# Altium PCB OBC-FPGA.PcbDoc (part 2 of 3)
Units mil, origin at the board's own origin, x right, y up, seen from the top; angles counter-clockwise.
Board outline 3775 x 3550 mil, 4 copper layers (Top Layer, Mid-Layer 2, Mid-Layer 3, Bottom Layer), stack 33.2 mil thick; 217 components, 167 nets, 957 pads, 748 vias.
Unrouted connection lines stored in the file: 2.
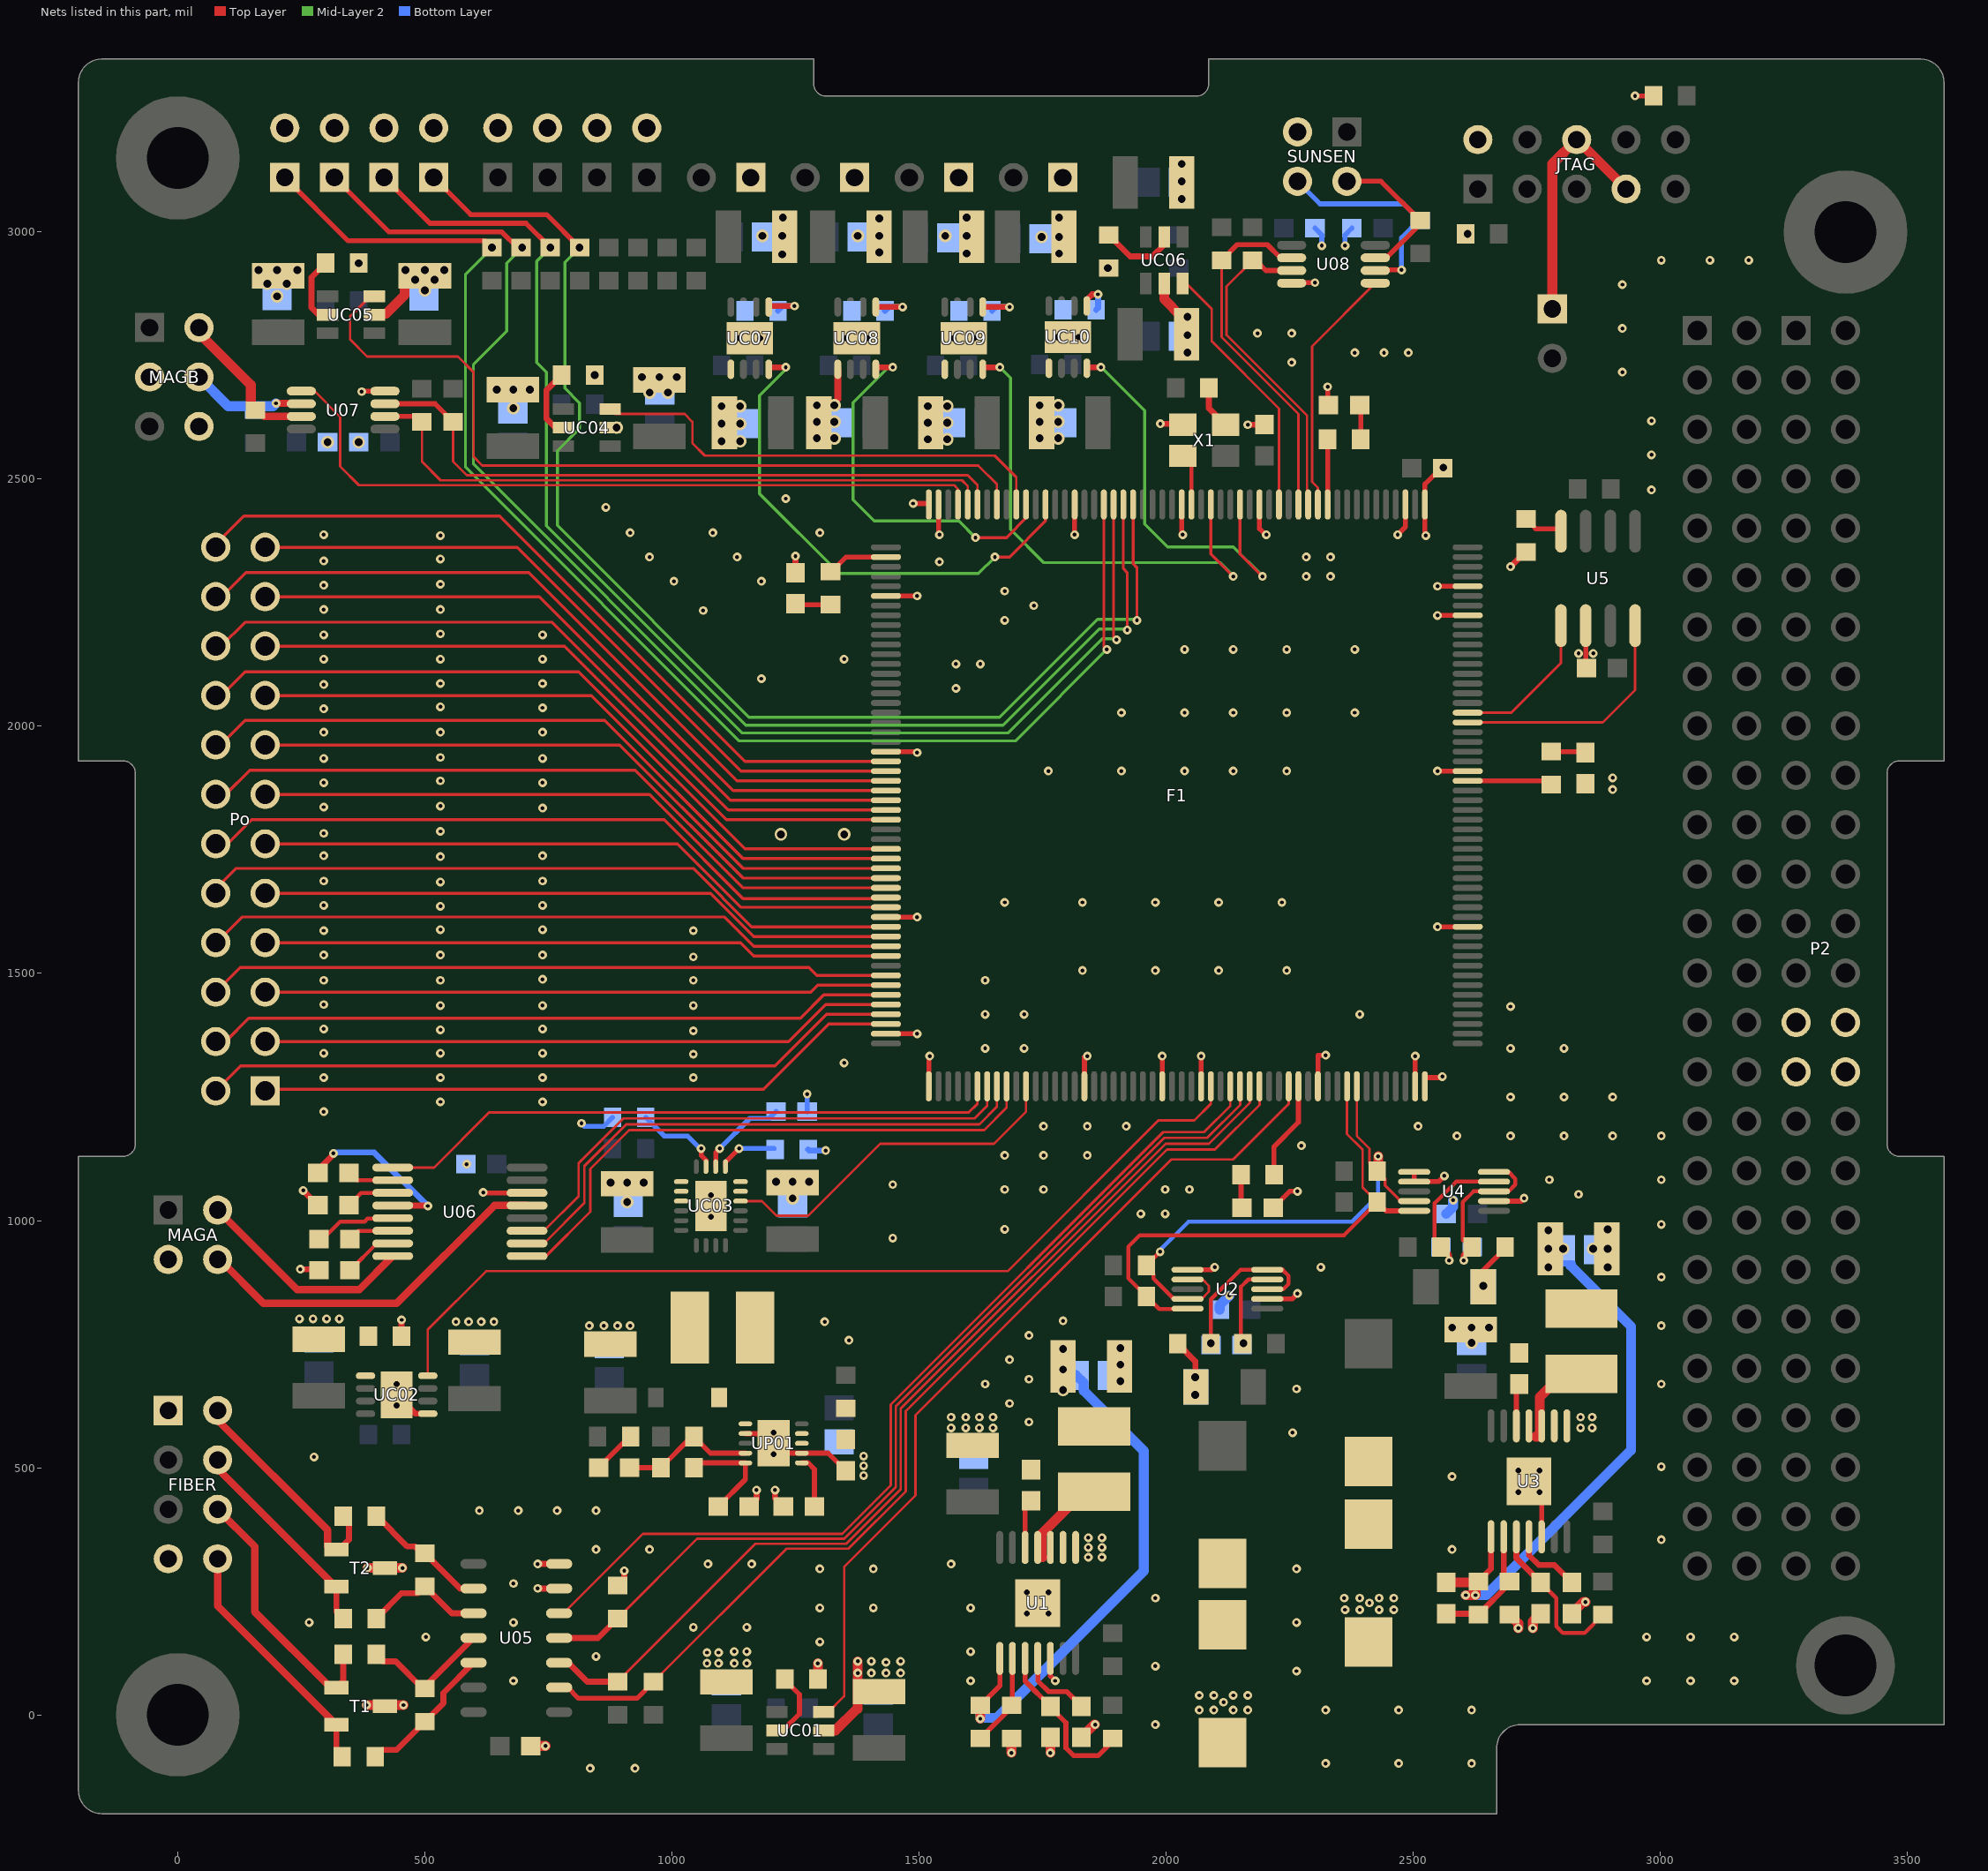
[diagram p4: the nets of this part, all layers, seen from the top]

## Via types
v1: diameter 17.72, hole 7.87, Top Layer to Bottom Layer, 514 vias
v2: diameter 25.59, hole 15.75, Top Layer to Bottom Layer, 212 vias
v3: diameter 23.62, hole 11.81, Top Layer to Bottom Layer, 22 vias

## Nets (pads, with @x,y where several pads share a name; then routed paths per layer and width w, separated by ;. In a path a pad name is that pad's centre, name@x,y a point inside that pad or via, vN(x,y) a via of type N, cw(c..) or ccw(c..) an arc to the next point about the centre after c; other vN are vias at no path point) (continued)
BUS_CANR: F1.86 U5.4 | length 496.5
  Top Layer w5: F1.86@2610.24,2007.87 2883.86,2007.87 2949.02,2073.03 U5.4@2949.02,2203.74
BUS_CANT: F1.87 U5.1 | length 306
  Top Layer w5: F1.87@2610.24,2027.56 2698.43,2027.56 2799.02,2128.15 U5.1@2799.02,2203.74
CLK: F1.129 X1.3 | length 105.8
  Top Layer w5: X1.3@2033.46,2547.24 X1.3@2051.18,2529.53
  Top Layer w8: F1.129@2051.18,2448.82 X1.3@2051.18,2529.53
EN_Ant1_5V: F1.127 UC09.4 | length 1028.4
  Top Layer w6: F1.127@2090.55,2448.82 2090.55,2348.43 v1(2135.83,2303.15)
  Top Layer w12: UC09.4@1628.94,2722.44 1632.87,2726.38 v1(1663.39,2726.38)
  Mid-Layer 2 w6: v1(1663.39,2726.38) 1685.04,2704.72 1685.04,2398.61 1752.49,2331.17 2109.2,2331.17 2135.83,2304.53 v1(2135.83,2303.15)
EN_Ant2_5V: F1.124 UC10.4 | length 831
  Top Layer w6: F1.124@2149.61,2448.82 2149.61,2348.43 v1(2194.88,2303.15)
  Top Layer w12: UC10.4@1839.57,2724.41 UC10.4@1841.54,2726.38 ; UC10.4@1841.54,2726.37 v1(1868.11,2726.37)
  Mid-Layer 2 w6: v1(1868.11,2726.37) 1869.1,2726.37 1956.69,2638.78 1956.69,2409.45 2002.98,2363.17 2136.25,2363.17 2194.88,2304.53 v1(2194.88,2303.15)
EN_FIBGY+3.3: F1.30 UC02.4 | length 1902.8
  Top Layer w5: UC02.4@505.91,686.02 505.91,779.53 624.02,897.64 1679.13,897.64 1984.25,1202.76 2057.09,1202.76 2090.55,1236.22 F1.30@2090.55,1271.65
EN_FIBGY-3.3: F1.38 UC01.3 | length 1734.6
  Top Layer w5: UC01.3@1307.09,5.91 1316.93,5.91 1348.43,37.4 1348.43,299.37 1492.91,443.86 1492.91,606.36 2010.25,1123.7 2135.51,1123.7 2248.03,1236.22 F1.38@2248.03,1271.65
EN_MAGA: F1.11 UC03.14 | length 728.4
  Top Layer w5: UC03.14@1138.78,1039.37 1182.09,1039.37 1211.61,1009.84 1275.59,1009.84 1421.26,1155.51 1651.57,1155.51 1716.54,1220.47 F1.11@1716.54,1271.65
EN_MAGB_3.3: F1.149 UC05.3 | length 1683.8
  Top Layer w5: UC05.3@397.64,2870.08 389.76,2870.08 348.58,2828.9 348.58,2782.69 383.24,2748.03 566.93,2748.03 598.58,2716.38 598.58,2545.48 616.29,2527.78 1619.86,2527.78 1657.48,2490.16 F1.149@1657.48,2448.82
EN_MAGB_5: F1.147 UC04.3 | length 966.3
  Top Layer w5: UC04.3@868.11,2641.73 UC04.3@875,2641.73 884.84,2631.89 1025.59,2631.89 1041.34,2616.14 1041.34,2572.83 1066.4,2547.78 1653.01,2547.78 1696.85,2503.94 F1.147@1696.85,2448.82
EN_Sb1_5V: F1.144 UC07.4 | length 1037.1
  Top Layer w6: v1(1653.54,2342.52) 1683.07,2342.52 1755.91,2415.35 F1.144@1755.91,2448.82
  Top Layer w10: UC07.4@1195.87,2722.44 UC07.4@1199.8,2726.38
  Top Layer w12: UC07.4@1199.8,2726.38 v1(1230.32,2726.38)
  Mid-Layer 2 w6: v1(1230.32,2726.38) 1230.32,2722.44 1177.17,2669.29 1177.17,2470.47 1338.58,2309.06 1620.08,2309.06 v1(1653.54,2342.52)
EN_Sb2_5V: F1.146 UC08.4 | length 770.3
  Top Layer w6: v1(1614.17,2381.89) 1677.17,2381.89 1718.5,2423.23 1718.5,2446.85 F1.146@1716.54,2448.82
  Top Layer w12: UC08.4@1412.4,2722.44 1416.34,2726.38 v1(1446.85,2726.38)
  Mid-Layer 2 w6: v1(1446.85,2726.38) 1437.59,2726.38 1366.14,2654.93 1366.14,2458.66 1409.45,2415.35 1580.71,2415.35 v1(1614.17,2381.89)
EN_SUNSEN_3.3: F1.120 UC06.3 | length 532.2
  Top Layer w5: UC06.3@2033.46,2895.67 2041.34,2895.67 2092.2,2844.8 2092.2,2779.12 2228.35,2642.98 F1.120@2228.35,2448.82
FIBERGYRO_RX: F1.35 R60.2 U05.2 | length 2057.7
  Top Layer w5: R60.2@962.6,66.93 1231.81,336.14 1356.91,336.14 1472.91,452.14 1472.91,614.65 2001.97,1143.7 2098.43,1143.7 2188.98,1234.25 F1.35@2188.98,1271.65
  Top Layer w10: U05.2@771.65,55.51 773.23,57.09 787.4,57.09 811.02,33.46 929.13,33.46 R60.2@962.6,66.93
FIBERGYRO_RX+: FIBER.8 R63.2 T1.2 | length 504.8
  Top Layer w5: R63.2@321.85,-73.82 R63.2@332.68,-84.65
  Top Layer w12: T1.2@320.87,-19.69 320.87,-72.83 R63.2@321.85,-73.82
  Top Layer w15: FIBER.8@80.71,315.75 80.71,220.47 T1.2@320.87,-19.69
FIBERGYRO_RX-: FIBER.6 R65.2 T1.1 | length 540
  Top Layer w12: T1.1@320.87,55.12 334.65,68.9 R65.2@334.65,122.05
  Top Layer w15: FIBER.6@80.71,415.75 155.91,340.55 155.91,209.06 155.51,208.66 309.06,55.12 T1.1@320.87,55.12
FIBERGYRO_RX_/RE: F1.34 R58.2 U05.3 | length 2027.9
  Top Layer w5: U05.3@771.65,105.51 U05.3@790.16,105.51 ; R58.2@889.76,66.93 1168.98,346.14 1352.77,346.14 1462.91,456.28 1462.91,619.67 1998.76,1155.51 2086.61,1155.51 2169.29,1238.19 F1.34@2169.29,1271.65
  Top Layer w12: U05.3@790.16,105.51 828.74,66.93 R58.2@889.76,66.93
FIBERGYRO_TX: F1.32 U05.5 | length 1918.6
  Top Layer w5: U05.5@771.65,205.51 780.32,205.51 940.94,366.14 1344.49,366.14 1442.91,464.57 1442.91,627.95 1994.09,1179.13 2076.77,1179.13 2129.92,1232.28 F1.32@2129.92,1271.65
FIBERGYRO_TX+: FIBER.2 R66.2 T2.1 | length 473.4
  Top Layer w5: T2.1@303.15,340.55 309.06,334.65 T2.1@320.87,334.65
  Top Layer w12: T2.1@320.87,334.65 326.77,334.65 346.46,354.33 346.46,389.76 R66.2@334.65,401.57
  Top Layer w15: FIBER.2@80.71,615.75 80.71,596.46 303.15,374.02 T2.1@303.15,340.55
FIBERGYRO_TX-: FIBER.4 R64.2 T2.2 | length 427.2
  Top Layer w12: T2.2@320.87,259.84 320.87,208.66 R64.2@334.65,194.88
  Top Layer w15: FIBER.4@80.71,515.75 80.71,498.03 318.9,259.84 T2.2@320.87,259.84
FIBERGYRO_TX_DE: F1.33 R59.1 U05.4 | length 1957.9
  Top Layer w5: R59.1@889.76,194.88 1051.02,356.14 1348.63,356.14 1452.91,460.42 1452.91,623.81 1996.43,1167.32 2082.68,1167.32 2149.61,1234.25 F1.33@2149.61,1271.65
  Top Layer w12: U05.4@771.65,155.51 850.39,155.51 R59.1@889.76,194.88
GND: A2.2 A3.2 A4.2 ANT1.2 C1.2 C2.2 C3.1 C4.1 C6.2 C7.2 C9.2 C11.2 C12.2 C13.2 C14.1 C15.1 C18.2 C19.2 C20.2 C23.2 C24.2 C25.2 C26.2 C27.2 C50.2 C51.2 C52.2 C53.2 C54.1 C55.2 C56.2 C57.2 C59.1 C60.1 C61.2 C62.2 C63.2 C64.2 C65.2 C66.2 C67.2 C68.2 C69.2 C70.2 C72.1 C74.2 C75.1 C76.2 C77.2 C78.2 C79.2 C80.2 C81.2 C82.2 C83.2 C84.2 C85.2 C87.2 C88.2 C89.2 C90.2 C91.2 C92.2 C93.2 C94.2 C95.2 C96.2 C97.2 C98.2 C99.2 C100.2 C101.2 C102.2 C103.2 C104.2 C105.2 C106.2 C107.2 C108.2 F1.1 F1.17 F1.25 F1.29 F1.41 F1.51 F1.52 F1.65 F1.81 F1.97 F1.100 F1.105 F1.107 F1.122 F1.130 F1.141 F1.155 F1.156 F1.162 F1.178 F1.195 F1.207 FIBER.1 FIBER.7 JTAG.2 L51.1 LD1.2 LD2.2 LD3.2 LD4.2 MAGA.3 MAGB.3 MAGB.6 P2.29 P2.30 P2.31 P2.32 PAV1.1 PAV2.1 R3.1 R12.1 R20.1 R21.2 R22.1 R51.2 R57.1 R59.2 R67.1 R69.1 R75.2 R77.2 R93.2 R95.1 R97.1 R99.1 R101.1 S2.2 S3.2 S4.2 SAB1.2 SBV1.1 SBV2.1 SUNSEN.3 T1.3 T2.3 U1.5 U1.8 U1.9 U1.15 U2.1 U2.7 U3.5 U3.8 U3.9 U3.15 U4.1 U4.2 U4.7 U5.2 U05.6 U05.7 U06.14 U07.4 U08.4 UC01.2 UC02.1 UC02.9 UC03.1 UC03.2 UC03.3 UC03.15 UC03.16 UC03.21 UC04.2 UC05.2 UC06.2 UC07.1 UC07.9 UC08.1 UC08.9 UC09.1 UC09.9 UC10.1 UC10.9 UP01.2 UP01.7 UP01.11 X1.2 | length 4245.2
  Top Layer w10: v1(372.05,2677.17) 373.03,2678.15 U07.4@419.29,2678.15 ; v1(618.11,1057.09) 619.09,1056.1 U06.14@706.69,1056.1 ; UP01.7@1148.62,568.9 1186.02,568.9 UP01.11@1205.71,549.21 1225.39,529.53 UP01.2@1262.8,529.53 1315.94,529.53 C55.2@1351.38,494.09 ; F1.207@1433.07,1377.95 v1(1496.06,1377.95) ; F1.195@1433.07,1614.17 v1(1496.06,1614.17) ; F1.178@1433.07,1948.82 1494.09,1948.82 v1(1496.06,1946.85) ; F1.162@1433.07,2263.78 v1(1496.06,2263.78) ; v1(1488.19,2450.79) 1517.72,2450.79 F1.156@1519.68,2448.82 ; F1.1@1519.68,1271.65 1519.68,1330.71 v1(1521.65,1332.68) ; F1.155@1539.37,2448.82 1539.37,2389.76 v1(1541.34,2387.8) ; U1.5@1765.75,114.17 1765.75,78.74 v1(1775.59,68.9) ; v1(1814.96,2387.8) F1.141@1814.96,2448.82 ; F1.17@1834.65,1271.65 1834.65,1330.71 1836.61,1332.67 v1(1840.55,1332.67) ; F1.25@1992.13,1271.65 v1(1992.13,1332.68) ; F1.130@2031.5,2448.82 2031.5,2389.76 v1(2033.46,2387.8) ; U2.1@2043.31,900.59 2093.5,900.59 v1(2098.43,905.51) ; F1.29@2070.87,1271.65 v1(2070.87,1332.68) ; F1.122@2188.98,2448.82 2188.98,2399.61 2202.76,2385.83 v1(2202.76,2387.8) ; U2.7@2204.72,841.54 2254.92,841.54 v1(2265.75,852.36) ; LD1.2@2216.54,1025.59 2250,1059.06 v1(2265.75,1059.06) ; U08.4@2253.94,2896.65 2254.92,2897.64 v1(2301.18,2897.64) ; F1.41@2307.09,1271.65 2307.09,1334.65 v1(2322.83,1334.64) ; v1(2326.77,2687.01) 2326.77,2651.57 LD3.2@2328.74,2649.61 ; v1(2468.5,2387.79) 2484.25,2403.54 F1.107@2484.25,2448.82 ; U4.1@2501.97,1098.43 U4.2@2501.97,1078.74 2551.18,1078.74 v1(2562.99,1090.55) ; F1.51@2503.94,1271.65 v1(2503.94,1332.68) ; F1.52@2523.62,1271.65 2523.62,1287.4 2525.59,1289.37 2557.09,1289.37 v1(2559.06,1291.34) ; v1(2525.59,2385.83) 2523.62,2387.8 F1.105@2523.62,2448.82 2523.62,2490.16 2555.92,2522.46 C24.2@2559.91,2522.46 ; v1(2549.21,1594.49) F1.65@2610.24,1594.49 ; v1(2549.21,1909.45) F1.81@2610.24,1909.45 ; v1(2549.21,2224.41) F1.97@2610.24,2224.41 ; v1(2549.21,2283.46) F1.100@2610.24,2283.46 ; U4.7@2663.39,1039.37 2718.5,1039.37 v1(2724.41,1045.28) ; U3.15@2734.25,472.44 v3(2755.91,450.79) 2759.84,446.85 U3.5@2759.84,360.24 ; LD2.2@2848.43,1883.86 LD2.2@2854.33,1889.76 ; C27.2@2849.02,2121.46 U5.2@2849.02,2203.74 ; v1(2948.82,3275.59) R21.2@2986.22,3275.59
  Top Layer w12: v1(248.03,901.57) 283.46,901.57 C74.2@285.43,899.61 ; v1(253.94,1061.02) C72.1@283.46,1031.5 ; UC02.9@442.91,647.64 481.3,609.25 UC02.1@505.91,609.25 ; R57.1@452.76,765.75 v1(452.76,799.21) ; v1(728.35,255.91) 728.74,255.51 U05.6@771.65,255.51 ; v1(728.35,305.12) 728.74,305.51 U05.7@771.65,305.51 ; R59.2@889.76,261.81 903.54,275.59 v1(903.54,291.34) ; C57.2@1156.5,421.26 1171.26,436.02 v1(1171.26,454.72) ; v1(1208.66,454.72) 1208.66,437.99 C56.2@1225.39,421.26 ; LD4.2@1250,2311.02 v1(1250,2344.49) ; v1(1988.19,2612.2) 2031.5,2612.2 X1.2@2033.46,2610.24 ; v1(2165.35,2610.24) C26.2@2198.82,2610.24 ; v1(2696.85,2322.83) 2726.38,2352.36 R22.1@2728.35,2352.36
  Top Layer w15: 1335.63,2662.4 UC08.1@1335.63,2722.44
  Top Layer w20: v1(381.89,19.68) 417.32,19.68 T1.3@419.29,17.72 ; v1(383.86,297.24) T2.3@419.29,297.24 v1(454.72,297.24) ; UC05.2@397.64,2832.68 399.61,2834.65 421.26,2834.65 458.66,2872.05 C82.2@458.66,2897.64 ; 444.88,19.68 v1(456.69,19.68) ; C65.2@714.57,-62.99 v1(744.09,-62.99) ; R51.2@1295.28,72.83 v1(1295.28,104.33) ; UC01.2@1307.09,-31.5 1330.71,-31.5 1375,12.8 1375.98,11.81 v1(1375.98,84.65) v1(1375.98,108.27) ; v1(1687.01,-76.77) R3.1@1687.01,-47.64 ; v1(1765.75,-76.77) C3.1@1765.75,-45.67 ; C4.1@1828.74,-45.67 1854.72,-19.68 v1(1856.3,-19.68) ; UC06.2@1996.06,2895.67 1996.06,2864.17 2031.5,2828.74 C89.2@2031.5,2789.37 ; R12.1@2694.88,202.76 2712.6,185.04 v1(2712.6,175.2) ; v1(2742.13,175.2) 2742.13,188.98 C14.1@2757.87,204.72 ; C15.1@2820.87,204.72 2844.49,228.35 v1(2848.43,228.35)
  Bottom Layer w10: v1(816.93,1196.85) 822.83,1190.94 862.2,1190.94 R69.1@879.92,1208.66 ; C68.2@1273.62,1220.47 v1(1273.62,1255.91) ; C87.2@2301.18,3007.87 2314.96,2994.09 v1(2314.96,2972.44) ; v1(2362.2,2972.44) 2362.2,2994.09 C88.2@2375.98,3007.87
  Bottom Layer w12: R67.1@1275.59,1143.7 1277.56,1141.73 v1(1311.02,1141.73)
  Bottom Layer w20: C11.2@2108.27,819.88 2108.27,828.74 v1(2127.95,848.43) ; C23.2@2566.93,1013.78 2580.71,1027.56 v1(2580.71,1041.34)
  other v1: 834.65,-108.27 925.2,-108.27 2322.83,-98.43 2470.47,-98.43 2618.11,-98.43 1978.35,-19.68 2066.93,9.84 2096.46,9.84 2135.83,9.84 2165.35,9.84 2322.83,9.84 2470.47,9.84 2618.11,9.84 2116.14,25.59 2066.93,39.37 2096.46,39.37 2135.83,39.37 2165.35,39.37 679.13,68.9 1604.33,68.9 2972.44,68.9 3061.02,68.9 3149.61,68.9 1403.54,84.65 1433.07,84.65 1462.6,84.65 2263.78,88.58 1978.35,98.43 1070.87,104.33 1094.49,104.33 1125.98,104.33 1151.57,104.33 1433.07,106.3 1403.54,108.27 1462.6,108.27 846.46,118.11 1070.87,125.98 1094.49,125.98 1125.98,127.95 1151.57,127.95 1604.33,127.95 1299.21,147.64 501.97,157.48 2972.44,157.48 3061.02,157.48 3149.61,157.48 1043.31,177.17 1151.57,177.17 265.75,187.01 679.13,187.01 2263.78,187.01 2362.2,212.6 2391.73,212.6 2431.1,212.6 2460.63,212.6 1299.21,216.54 1407.48,216.54 1604.33,216.54 2411.42,226.38 1978.35,236.22 2360.24,236.22 2391.73,236.22 2431.1,236.22 2460.63,236.22 679.13,265.75 1299.21,295.28 1407.48,295.28 2263.78,295.28 1072.83,305.12 1161.42,305.12 1564.96,305.12 1842.52,318.9 1870.08,318.9 846.46,334.65 954.72,334.65 2578.74,334.65 1842.52,338.58 1870.08,338.58 3001.97,354.33 1842.52,358.27 1870.08,358.27 610.24,413.39 688.98,413.39 767.72,413.39 846.46,413.39 2578.74,482.28 1387.8,484.25 3001.97,501.97 1387.8,503.94 275.59,521.65 1387.8,523.62 2255.91,570.87 1564.96,580.71 1594.49,580.71 1622.05,580.71 1649.61,580.71 2838.58,580.71 2862.2,580.71 1722.44,592.52 1564.96,602.36 1594.49,602.36 1622.05,602.36 1649.61,602.36 2838.58,602.36 2862.2,602.36 1683.07,629.92 2263.78,659.45 1633.86,669.29 3001.97,669.29 1722.44,679.13 1683.07,718.5 1358.27,757.87 1722.44,767.72 832.68,787.4 862.2,787.4 889.76,787.4 915.35,787.4 3001.97,787.4 562.99,795.28 588.58,795.28 614.17,795.28 639.76,795.28 1309.06,795.28 1791.34,797.24 246.06,801.18 273.62,801.18 301.18,801.18 326.77,801.18 3001.97,885.83 2312.99,905.51 1446.85,964.57 1673.23,982.28 3001.97,992.13 1948.82,1013.78 1998.03,1013.78 2834.65,1053.15 1673.23,1062.99 1751.97,1062.99 1998.03,1062.99 2047.24,1062.99 1446.85,1072.83 2775.59,1082.68 3001.97,1082.68 584.65,1114.17 1673.23,1131.89 1751.97,1131.89 1840.55,1131.89 2273.62,1151.57 2588.58,1171.26 2696.85,1171.26 2805.12,1171.26 2903.54,1171.26 3001.97,1171.26 1751.97,1190.94 1840.55,1190.94 1919.29,1190.94 2509.84,1190.94 295.28,1220.47 531.5,1240.16 738.19,1240.16 2696.85,1250 2805.12,1250 2903.54,1250 295.28,1289.37 531.5,1289.37 738.19,1289.37 1043.31,1289.37 1348.43,1318.9 1043.31,1336.61 295.28,1338.58 531.5,1338.58 738.19,1338.58 1633.86,1348.43 1712.6,1348.43 2696.85,1348.43 2805.12,1348.43 1043.31,1383.86 531.5,1385.83 295.28,1387.8 738.19,1387.8 1633.86,1417.32 1712.6,1417.32 2391.73,1417.32 2696.85,1433.07 531.5,1435.04 738.19,1435.04 1043.31,1435.04 295.28,1437.01 295.28,1486.22 531.5,1486.22 1043.31,1486.22 1633.86,1486.22 738.19,1488.19 1830.71,1505.91 1978.35,1505.91 2106.3,1505.91 2244.09,1505.91 1043.31,1533.46 295.28,1537.4 531.5,1537.4 738.19,1537.4 295.28,1586.61 1043.31,1586.61 531.5,1588.58 738.19,1588.58 531.5,1635.83 295.28,1637.8 738.19,1637.8 1673.23,1643.7 1830.71,1643.7 1978.35,1643.7 2106.3,1643.7 2234.25,1643.7 531.5,1685.04 295.28,1687.01 738.19,1687.01 531.5,1736.22 295.28,1738.19 738.19,1738.19 295.28,1783.46 531.5,1787.4 738.19,1834.65 295.28,1836.61 531.5,1838.58 2903.54,1872.05 295.28,1885.83 738.19,1885.83 531.5,1889.76 2903.54,1895.67 1761.81,1909.45 1909.45,1909.45 2037.4,1909.45 2135.83,1909.45 2244.09,1909.45 295.28,1935.04 738.19,1935.04 531.5,1937.01 295.28,1988.19 531.5,1988.19 738.19,1988.19 1909.45,2027.56 2037.4,2027.56 2135.83,2027.56 2244.09,2027.56 2381.89,2027.56 295.28,2035.43 738.19,2037.4 531.5,2039.37 1574.8,2076.77 295.28,2084.65 531.5,2086.61 738.19,2086.61 1181.1,2096.46 1574.8,2125.98 1624.02,2125.98 295.28,2135.83 531.5,2135.83 738.19,2135.83 1348.43,2135.83 2834.65,2147.64 2864.17,2147.64 2037.4,2155.51 2135.83,2155.51 2244.09,2155.51 2381.89,2155.51 295.28,2185.04 738.19,2185.04 531.5,2187.01 1673.23,2214.57 1062.99,2234.25 295.28,2236.22 531.5,2236.22 1732.28,2244.09 1673.23,2273.62 295.28,2285.43 531.5,2287.4 1003.94,2293.31 1181.1,2293.31 2283.46,2303.15 2332.68,2303.15 1541.34,2332.68 295.28,2334.65 531.5,2338.58 954.72,2342.52 1131.89,2342.52 2283.46,2342.52 2332.68,2342.52 531.5,2385.83 295.28,2387.8 915.35,2391.73 1082.68,2391.73 1299.21,2391.73 866.14,2442.91 1230.32,2460.63 2982.28,2478.35 2982.28,2549.21 2982.28,2618.11 2923.23,2716.54 2253.94,2736.22 2381.89,2755.91 2440.94,2755.91 2490.16,2755.91 2185.04,2795.28 2253.94,2795.28 2923.23,2805.12 2923.23,2893.7 3001.97,2942.91 3100.39,2942.91 3179.13,2942.91
  other v2: 1907.48,675.2 1907.48,708.66 1907.48,742.13 2618.11,752.95 2578.74,783.46 2618.11,783.46 2653.54,783.46 2893.7,905.51 2864.17,942.91 2893.7,942.91 2893.7,982.28 909.45,1037.4 1244.09,1045.28 875.98,1076.77 909.45,1076.77 942.91,1076.77 1210.63,1078.74 1244.09,1078.74 1277.56,1078.74 1220.47,1781.5 1348.43,1781.5 2561.02,2523.62 303.15,2574.8 366.14,2574.8 1100.39,2576.77 1137.8,2576.77 1517.72,2580.71 1557.09,2580.71 1293.31,2582.68 1328.74,2582.68 1744.09,2582.68 1781.5,2582.68 887.79,2604.33 1100.39,2612.2 1137.8,2612.2 1517.72,2614.17 1557.09,2614.17 1293.31,2616.14 1328.74,2616.14 1744.09,2616.14 1781.5,2616.14 679.13,2643.7 1100.39,2647.64 1137.8,2647.64 1517.72,2647.64 1557.09,2647.64 1293.31,2649.61 1328.74,2649.61 1744.09,2649.61 1781.5,2649.61 954.72,2675.2 992.13,2675.2 645.67,2681.1 679.13,2681.1 712.6,2681.1 938.98,2706.69 974.41,2706.69 1009.84,2706.69 843.5,2710.63 2043.31,2755.91 2043.31,2791.34 2043.31,2828.74 200.79,2870.08 500,2881.89 181.1,2895.67 220.47,2895.67 480.32,2903.54 519.68,2903.54 163.39,2923.23 200.79,2923.23 242.13,2923.23 460.63,2923.23 500,2923.23 539.37,2923.23 1881.89,2927.17 366.14,2937.01 1223.43,2954.72 1596.46,2956.69 1783.46,2956.69 1419.29,2958.66 1748.03,2990.16 1783.46,2990.16 1183.07,2992.13 1223.43,2992.13 1375.98,2992.13 1419.29,2992.13 1553.15,2992.13 1596.46,2992.13 2610.24,2996.06 1419.29,3027.56 1224.41,3029.53 1596.46,3029.53 1783.46,3029.53 2031.5,3066.93 2031.5,3102.36 2031.5,3137.8
  other v3: 1718.5,204.72 1761.81,204.72 1718.5,248.03 1761.81,248.03 2712.6,450.79 2712.6,494.09 2755.91,494.09 1205.71,527.56 1205.71,570.87 442.91,625.98 442.91,669.29 1078.74,1007.87 1078.74,1051.18 1135.83,2785.43 1179.13,2785.43 1352.36,2785.43 1395.67,2785.43 1568.9,2785.43 1612.2,2785.43 1779.53,2787.4 1822.83,2787.4
LED1: F1.39 R25.1 | length 199.5
  Top Layer w10: R25.1@2218.5,1092.52 2218.5,1149.61 2267.72,1198.82 F1.39@2267.72,1271.65
LED2: F1.80 R26.1 | length 172.6
  Top Layer w10: F1.80@2610.24,1889.76 2771.65,1889.76 R26.1@2779.53,1881.89
LED3: F1.115 R27.1 | length 131.9
  Top Layer w10: F1.115@2326.77,2448.82 R27.1@2326.77,2580.71
LED4: F1.158 R28.1 | length 124.4
  Top Layer w10: R28.1@1320.87,2312.99 1322.83,2312.99 1352.36,2342.52 F1.158@1433.07,2342.52
MAGA_PC_/INVALID: F1.8 U06.10 | length 1150.5
  Top Layer w5: U06.10@706.69,953.74 741.14,953.74 822.83,1035.43 822.83,1110.24 907.48,1194.88 1622.05,1194.88 1657.48,1230.31 F1.8@1657.48,1271.65
MAGA_PC_RD: F1.9 U06.9 | length 1188.9
  Top Layer w5: U06.9@706.69,928.15 745.08,928.15 834.65,1017.72 834.65,1104.33 913.23,1182.91 1631.73,1182.91 1677.17,1228.35 F1.9@1677.17,1271.65
MAGA_PC_READY: F1.6 U06.1 | length 1271.9
  Top Layer w5: U06.1@435.04,1107.28 518.7,1107.28 629.92,1218.5 1600.39,1218.5 1618.11,1236.22 F1.6@1618.11,1271.65
MAGA_PC_TD: F1.7 U06.11 | length 1114.5
  Top Layer w5: U06.11@706.69,979.33 741.14,979.33 811.02,1049.21 811.02,1116.14 901.57,1206.69 1612.2,1206.69 1637.8,1232.28 F1.7@1637.8,1271.65
MAGA_RD: MAGA.2 U06.8 | length 449.2
  Top Layer w15: MAGA.2@80.71,1021.26 241.73,860.24 367.13,860.24 U06.8@435.04,928.15
MAGA_TD: MAGA.4 U06.13 | length 744.6
  Top Layer w15: MAGA.4@80.71,921.26 84.65,921.26 173.23,832.68 442.91,832.68 640.75,1030.51 U06.13@706.69,1030.51
MAGB_PC_EN: F1.153 U07.5 | length 1505.2
  Top Layer w5: U07.5@252.95,2675.2 U07.5@250,2678.15 276.57,2678.15 328.74,2625.98 328.74,2525.59 366.56,2487.78 1571.28,2487.78 1578.74,2480.32 F1.153@1578.74,2448.82
MAGB_PC_SCL: F1.152 R71.2 U07.2 | length 1322.1
  Top Layer w5: R71.2@483.27,2626.97 R71.2@494.09,2616.14 494.09,2535.43 531.75,2497.78 1586.87,2497.78 1598.43,2486.22 F1.152@1598.43,2448.82
  Top Layer w10: U07.2@419.29,2626.97 R71.2@483.27,2626.97
MAGB_PC_SDA: F1.151 R70.2 U07.3 | length 1353.6
  Top Layer w5: R70.2@557.09,2616.14 557.09,2535.43 584.74,2507.78 1598.52,2507.78 1618.11,2488.19 F1.151@1618.11,2448.82
  Top Layer w10: U07.3@419.29,2652.56 520.67,2652.56 R70.2@557.09,2616.14
MAGB_SCL: MAGB.2 R72.2 U07.7 | length 312.2
  Top Layer w5: MAGB.2@42.91,2795.67 MAGB.2@42.91,2806.69 ; R72.2@157.48,2639.76 161.42,2639.76 R72.2@174.21,2626.97
  Top Layer w10: R72.2@147.64,2649.61 R72.2@157.48,2639.76
  Top Layer w15: R72.2@174.21,2626.97 U07.7@250,2626.97
  Top Layer w20: MAGB.2@42.91,2795.67 147.64,2690.94 R72.2@147.64,2649.61
MAGB_SDA: MAGB.4 R73.2 U07.6 | length 234.4
  Top Layer w5: U07.6@249.02,2653.54 U07.6@250,2652.56
  Top Layer w15: v1(198.82,2653.54) U07.6@249.02,2653.54
  Bottom Layer w20: MAGB.4@42.91,2706.69 101.97,2647.64 192.91,2647.64 v1(198.82,2653.54)
NetC3_2: C3.2 R2.1 U1.3 | length 334.1
  Top Layer w10: U1.3@1714.57,114.17 1714.57,68.5 C3.2@1765.75,17.32 1765.75,15.75 1797.24,-15.75 1797.24,-66.93 1812.99,-82.68 1862.2,-82.68 1891.73,-53.15 R2.1@1891.73,-47.64
NetC4_2: C4.2 U1.4 | length 155.2
  Top Layer w10: U1.4@1740.16,114.17 1740.16,68.9 1762.05,47.01 1799.05,47.01 C4.2@1828.74,17.32
NetC5_1: C5.1 L1.1 U1.10 U1.11 | length 189.7
  Top Layer w20: 1750,318.9 1748.03,320.87 1748.03,366.14 1833.46,451.57 L1.1@1854.33,451.57
NetC5_2: C5.2 U1.12 | length 99.4
  Top Layer w10: U1.12@1714.57,338.58 1714.57,421.26 C5.2@1726.38,433.07
NetC6_1: C6.1 C7.1 L1.2 R4.2 R5.2 R6.2 R45.2 U1.1 | length 1146.3
  Top Layer w10: R4.2@1624.02,19.29 1663.39,58.66 U1.1@1663.39,114.17
  Top Layer w12: R6.2@2023.62,751.02 2059.06,715.58 2059.06,690.94 R45.2@2051.18,683.07
  Top Layer w20: v1(1624.02,-7.87) R4.2@1624.02,19.29
  Bottom Layer w20: v1(1624.02,-7.87) 1624.02,3.94 1633.86,-5.91 1657.48,-5.91 1954.72,291.34 1954.72,533.98 1832.68,656.02 1832.68,672.24 C7.1@1817.91,687.01
  other v2: 2059.06,647.64 1791.34,657.48 2059.06,683.07 1791.34,698.82 1791.34,740.16
NetC8_2: C8.2 C9.1
NetC10_1: C10.1 R7.1 U2.9 | length 176
  Top Layer w8: R7.1@2151.57,754.95 2151.57,866.14 2166.34,880.91 U2.9@2204.72,880.91
  Top Layer w10: R7.1@2151.57,754.95 R7.1@2155.51,751.02
  other v2: 2156.5,751.97
NetC10_2: C10.2 R6.1 U2.8 U2.10 | length 341.7
  Top Layer w8: R6.1@2090.55,750 v2(2090.55,751.97) 2090.55,840.55 2150.59,900.59 U2.10@2204.72,900.59 ; U2.8@2204.72,861.22 2237.2,861.22 2248.03,872.05 2248.03,887.8 U2.10@2235.24,900.59
  Top Layer w10: U2.10@2204.72,900.59 U2.10@2235.24,900.59
NetC14_2: C14.2 R10.1 U3.3 | length 330.2
  Top Layer w8: C14.2@2757.87,267.72 2789.37,236.22 2789.37,179.13 2803.15,165.35 2846.46,165.35 R10.1@2883.86,202.76
  Top Layer w12: U3.3@2708.66,360.24 2708.66,316.93 C14.2@2757.87,267.72
NetC15_2: C15.2 U3.4 | length 146.8
  Top Layer w12: U3.4@2734.25,360.24 2734.25,322.83 2753.94,303.15 2785.43,303.15 C15.2@2820.87,267.72
NetC16_1: C16.1 L2.1 U3.10 U3.11 | length 191.7
  Top Layer w10: L2.1@2802.95,689.76 L2.1@2840.55,689.76
  Top Layer w20: 2748.03,562.99 2755.91,562.99 2755.91,642.72 L2.1@2802.95,689.76
NetC16_2: C16.2 U3.12 | length 87.1
  Top Layer w10: U3.12@2708.66,584.65 2708.66,663.39 C16.2@2714.57,669.29
NetC17_1: C17.1 R12.2 R13.1 U3.2 | length 254.2
  Top Layer w12: C17.1@2566.93,204.72 2629.92,204.72 R13.1@2631.89,202.76 2694.88,265.75 R12.2@2694.88,269.68 2683.07,281.5 U3.2@2683.07,360.24
NetC17_2: C17.2 C18.1 C19.1 L2.2 R13.2 R14.2 R16.2 R24.2 U3.1 | length 1235.2
  Top Layer w10: R24.2@2641.73,866.14 v2(2641.73,868.11) 2641.73,899.61 2686.02,943.9 R14.2@2686.02,946.85
  Top Layer w12: R13.2@2631.89,269.69 2657.48,295.28 U3.1@2657.48,360.24 ; R14.2@2686.02,937.99 R14.2@2686.02,943.9
  Top Layer w20: C17.2@2566.93,267.72 R13.2@2629.92,267.72 ; v1(2606.3,242.13) v1(2625.98,242.13) 2625.98,263.78 R13.2@2629.92,267.72 ; R13.2@2631.89,269.69 R13.2@2629.92,267.72
  Bottom Layer w12: C19.1@2793.31,913.39 2822.83,913.39 2818.17,908.72
  Bottom Layer w20: v1(2606.3,242.13) v1(2625.98,242.13) 2647.64,242.13 2940.94,535.43 2940.94,785.94 2818.17,908.72
  other v2: 2773.62,905.51 2773.62,942.91 2803.15,942.91 2773.62,980.32
NetC20_1: C20.1 C21.2
NetC22_1: C22.1 R15.1 U4.9 | length 266.4
  Top Layer w8: R15.1@2556.1,946.85 2543.31,959.65 2543.31,1013.37 2543.45,1013.51 2543.45,1035.57 2586.61,1078.74 U4.9@2663.39,1078.74
  Top Layer w12: R15.1@2556.1,946.85 2572.83,930.12 v1(2572.83,919.29)
NetC22_2: C22.2 R14.1 U4.8 U4.10 | length 317.5
  Top Layer w8: R14.1@2619.09,946.85 2614.17,946.85 2600.39,960.63 2600.39,1037.4 2622.05,1059.06 U4.8@2663.39,1059.06 2692.91,1059.06 2706.69,1072.83 2706.69,1084.65 2692.91,1098.43 U4.10@2663.39,1098.43
  Top Layer w12: v1(2602.36,919.29) 2602.36,930.12 R14.1@2619.09,946.85
NetC55_1: C55.1 R52.2 UP01.3 UP01.4
NetC56_1: C56.1 UP01.1 | length 106.7
  Top Layer w10: UP01.1@1262.8,509.84 1275.59,509.84 1288.39,497.05 C56.1@1288.39,421.26
NetC57_1: C57.1 R55.2 UP01.10 | length 219.8
  Top Layer w10: R55.2@1044.29,500 1054.13,509.84 UP01.10@1148.62,509.84 1148.62,476.38 C57.1@1093.5,421.26
NetC58_1: C58.1 R54.1 | length 91.1
  Top Layer w10: C58.1@851.38,500 914.37,562.99 R54.1@916.34,562.99
NetC58_2: C58.2 R53.1 R55.1 UP01.9 | length 274.2
  Top Layer w10: C58.2@914.37,500 R55.1@977.36,500 1040.35,562.99 R53.1@1044.29,562.99 1077.76,529.53 UP01.9@1148.62,529.53
NetC68_1: C68.1 UC03.18 | length 184.8
  Top Layer w10: UC03.18@1088.58,1109.25 1088.58,1137.8 v1(1096.46,1145.67)
  Bottom Layer w10: v1(1096.46,1145.67) 1157.48,1206.69 1196.85,1206.69 C68.1@1210.63,1220.47
NetC71_1: C71.1 U06.2 | length 94.7
  Top Layer w8: C71.1@346.46,1096.46 361.22,1081.69 U06.2@435.04,1081.69
NetC71_2: C71.2 U06.4 | length 361.7
  Top Layer w12: C71.2@283.46,1096.46 283.46,1102.36 314.96,1133.86 v1(314.96,1135.83) ; U06.4@434.06,1031.5 U06.4@435.04,1030.51 504.92,1030.51 v1(505.91,1029.53)
  Bottom Layer w12: v1(314.96,1135.83) 316.93,1137.8 397.64,1137.8 v1(505.91,1029.53)
NetC72_2: C72.2 U06.3 | length 98.8
  Top Layer w8: C72.2@346.46,1031.5 371.06,1056.1 U06.3@435.04,1056.1
NetC73_1: C73.1 U06.5 | length 169.1
  Top Layer w8: C73.1@285.43,962.6 293.31,962.6 328.74,998.03 377.95,998.03 383.86,1003.94 435.04,1003.94 U06.5@435.04,1004.92
  Top Layer w12: U06.5@434.06,1005.91 U06.5@435.04,1004.92
NetC73_2: C73.2 U06.6 | length 93.5
  Top Layer w8: C73.2@348.43,962.6 365.16,979.33 U06.6@435.04,979.33
NetC74_1: C74.1 U06.7 | length 109
  Top Layer w8: C74.1@348.43,899.61 402.56,953.74 U06.7@435.04,953.74
NetD1_2: D1.2 L51.2 UP01.6
NetJTAG_6: JTAG.6 JTAG.7 Pv.1 | length 504.3
  Top Layer w20: Pv.1@2781.5,2844.49 2781.5,3137.8 JTAG.6@2830.71,3187.01 JTAG.7@2930.71,3087.01
NetLD1_1: LD1.1 R25.2 | length 67.7
  Top Layer w10: R25.2@2151.57,1092.52 2151.57,1027.56 LD1.1@2153.54,1025.59
NetLD2_1: LD2.1 R26.2 | length 69.7
  Top Layer w10: R26.2@2779.53,1948.82 2846.46,1948.82 LD2.1@2848.43,1946.85
NetLD3_1: LD3.1 R27.2 | length 69.7
  Top Layer w10: LD3.1@2391.73,2649.61 2393.7,2647.64 R27.2@2393.7,2580.71
NetLD4_1: LD4.1 R28.2 | length 71.7
  Top Layer w10: LD4.1@1250,2248.03 1251.97,2246.06 R28.2@1320.87,2246.06
NetR3_2: R3.2 R4.1 U1.2 | length 188.7
  Top Layer w10: R4.1@1624.02,-47.64 1688.98,17.32 U1.2@1688.98,114.17
NetR19_2: R19.2 X1.1 | length 88.7
  Top Layer w12: R19.2@2086.61,2685.04 2086.61,2643.7 X1.1@2120.08,2610.24
NetR22_2: R22.2 U5.8 | length 80.9
  Top Layer w5: U5.8@2789.37,2399.61 2794.09,2399.61 U5.8@2799.02,2394.69
  Top Layer w10: R22.2@2728.35,2419.29 2748.03,2399.61 U5.8@2789.37,2399.61
NetR51_1: R51.1 UC01.5 | length 142.2
  Top Layer w10: UC01.5@1212.6,-31.5 1224.41,-31.5 1257.87,1.97 1257.87,41.34 1228.35,70.87 R51.1@1228.35,72.83
NetR57_2: R57.2 UC02.5
NetR61_1: R61.1 R65.1 U05.11 | length 278
  Top Layer w5: U05.11@590.55,155.51 U05.11@598.43,155.51
  Top Layer w10: R65.1@401.57,122.05 R65.1@415.35,108.27 ; R61.1@496.06,53.15 R61.1@500,53.15 R61.1@500,57.09
  Top Layer w12: R65.1@415.35,108.27 440.94,108.27 R61.1@496.06,53.15 ; R61.1@500,57.09 U05.11@598.43,155.51
NetR61_2: R61.2 R63.1 U05.12 | length 289.8
  Top Layer w5: R63.1@399.61,-84.65 R63.1@413.39,-70.87 ; 537.4,44.49 538.19,45.28
  Top Layer w12: R63.1@413.39,-70.87 442.91,-70.87 R61.2@500,-13.78 537.4,23.62 537.4,44.49 ; 538.19,45.28 U05.12@598.43,105.51
NetR62_1: R62.1 R66.1 U05.9 | length 237.7
  Top Layer w12: R66.1@401.57,401.57 403.54,401.57 464.57,340.55 480.32,340.55 494.09,326.77 R62.1@500,326.77 571.26,255.51 U05.9@578.74,255.51
NetR62_2: R62.2 R64.1 U05.10 | length 246.3
  Top Layer w5: U05.10@584.65,205.51 U05.10@598.43,205.51
  Top Layer w10: R62.2@486.22,246.06 R62.2@500,259.84
  Top Layer w12: R64.1@401.57,194.88 452.76,246.06 R62.2@486.22,246.06 ; R62.2@500,259.84 554.33,205.51 U05.10@584.65,205.51
NetR67_2: R67.2 UC03.17 | length 121.5
  Top Layer w10: UC03.17@1108.27,1109.25 1108.27,1118.11 v1(1135.83,1145.67)
  Bottom Layer w5: R67.2@1206.69,1145.67 R67.2@1208.66,1143.7
  Bottom Layer w10: v1(1135.83,1145.67) R67.2@1206.69,1145.67
NetR69_2: R69.2 UC03.19 | length 178.8
  Top Layer w5: UC03.19@1068.9,1109.25 UC03.19@1068.9,1122.05
  Top Layer w10: v1(1059.06,1145.67) 1059.06,1131.89 UC03.19@1068.9,1122.05
  Bottom Layer w10: R69.2@946.85,1208.66 984.25,1171.26 1031.5,1171.26 1057.09,1145.67 v1(1059.06,1145.67)
NetR75_1: R75.1 UC04.5 | length 158.7
  Top Layer w12: R75.1@776.57,2710.63 746.06,2680.12 746.06,2622.05 763.78,2604.33 UC04.5@780.51,2604.33 UC04.5@796.24,2604.33
NetR77_1: R77.1 UC05.5 | length 154.1
  Top Layer w12: R77.1@299.21,2937.01 270.5,2908.29 270.5,2847.27 285.09,2832.68 UC05.5@303.15,2832.68 UC05.5@316.93,2832.68
NetR93_1: R93.1 UC06.5 | length 155.7
  Top Layer w12: R93.1@1883.86,2994.09 1927.17,2950.79 1972.44,2950.79 1996.06,2974.41 UC06.5@1996.06,2990.16
NetR95_2: R95.2 UC07.5 | length 90.5
  Top Layer w12: UC07.5@1195.87,2848.43 1197.83,2850.39 v1(1248.03,2850.39)
  Bottom Layer w12: R95.2@1214.57,2840.55 1224.41,2850.39 v1(1248.03,2850.39)
NetR97_2: R97.2 UC08.5 | length 94.5
  Top Layer w12: UC08.5@1412.4,2848.43 1414.37,2850.39 1416.34,2848.43 v1(1466.54,2848.43)
  Bottom Layer w12: R97.2@1431.1,2840.55 1438.98,2848.43 v1(1466.54,2848.43)
NetR99_2: R99.2 UC09.5 | length 94.5
  Top Layer w12: UC09.5@1628.94,2848.43 1630.91,2850.39 1632.87,2848.43 v1(1683.07,2848.43)
  Bottom Layer w12: R99.2@1647.64,2840.55 1655.51,2848.43 v1(1683.07,2848.43)
NetR101_2: R101.2 UC10.5 | length 73
  Top Layer w12: UC10.5@1839.57,2850.39 1839.57,2863.19 1850.39,2874.02 v1(1862.2,2874.02)
  Bottom Layer w12: R101.2@1858.27,2842.52 1862.2,2846.46 v1(1862.2,2874.02)
OBCMON_SCL: F1.44 R9.1 R17.1 U2.5 U4.5 | length 1092.9
  Top Layer w5: U2.5@2013.78,821.85 U2.5@2043.31,821.85 ; F1.44@2366.14,1271.65 2366.14,1175.2 2397.64,1143.7 2397.64,1066.93 R17.1@2427.17,1037.4
  Top Layer w8: U2.5@2013.78,821.85 2012.8,820.87 1985.83,820.87 R9.1@1960.24,846.46 1923.23,883.47 1923.23,946.85 1946.85,970.47 2360.24,970.47 R17.1@2427.17,1037.4
  Top Layer w10: R17.1@2427.17,1037.4 2444.88,1019.68 U4.5@2501.97,1019.68
OBCMON_SDA: F1.45 R8.1 R18.1 U2.2 U2.4 U4.4 | length 1140.9
  Top Layer w5: U2.4@2043.31,841.54 2071.85,841.54 2086.61,856.3 2086.61,868.11 2073.82,880.91 U2.2@2043.31,880.91 ; F1.45@2385.83,1271.65 2385.83,1171.26 2411.42,1145.67 2411.42,1115.16 2426.18,1100.39 R18.1@2427.17,1100.39 R18.1@2442.91,1084.65
  Top Layer w6: 1974.41,882.41 1976.9,879.92 ; R18.1@2442.91,1084.65 2442.91,1070.87 U4.4@2474.41,1039.37
  Top Layer w8: R8.1@1960.24,909.45 v1(1987.8,937.01) ; 1974.41,882.41 R8.1@1974.41,891.73 ; 1976.9,879.92 2015.29,841.54 U2.4@2043.31,841.54
  Top Layer w10: U4.4@2474.41,1039.37 U4.4@2501.97,1039.37
  Top Layer w20: R18.1@2427.17,1100.39 2429.13,1102.36 v1(2429.13,1129.92)
  Bottom Layer w8: v1(1987.8,937.01) 1987.8,940.55 2045.28,998.03 2375.98,998.03 2429.13,1051.18 v1(2429.13,1129.92)
OUT_1: F1.206 Po.1 | length 1312.4
  Top Layer w6: Po.1@176.77,1262.2 180.32,1265.75 1185.04,1265.75 1316.93,1397.64 F1.206@1433.07,1397.64
OUT_2: F1.205 Po.2 | length 1420.6
  Top Layer w6: Po.2@76.77,1262.2 127.56,1312.99 1208.66,1312.99 1312.99,1417.32 F1.205@1433.07,1417.32
OUT_3: F1.204 Po.3 | length 1287.3
  Top Layer w6: Po.3@176.77,1362.2 1236.22,1362.2 1311.02,1437.01 F1.204@1433.07,1437.01
OUT_4: F1.203 Po.4 | length 1395.4
  Top Layer w6: Po.4@76.77,1362.2 96.46,1362.2 143.7,1409.45 1259.84,1409.45 1307.09,1456.69 F1.203@1433.07,1456.69
OUT_5: F1.202 Po.5 | length 1262.2
  Top Layer w6: Po.5@176.77,1462.2 1281.1,1462.2 1295.28,1476.38 F1.202@1433.07,1476.38
OUT_6: F1.201 Po.6 | length 1383.4
  Top Layer w6: Po.6@76.77,1462.2 126.38,1511.81 1277.56,1511.81 1293.31,1496.06 F1.201@1433.07,1496.06
OUT_7: F1.199 Po.7 | length 1267.4
  Top Layer w6: Po.7@176.77,1562.2 1138.58,1562.2 1165.35,1535.43 F1.199@1433.07,1535.43
OUT_8: F1.198 Po.8 | length 1402.3
  Top Layer w6: Po.8@76.77,1562.2 77.95,1562.2 129.92,1614.17 1106.3,1614.17 1165.35,1555.12 F1.198@1433.07,1555.12
OUT_9: F1.197 Po.9 | length 1292.5
  Top Layer w6: Po.9@176.77,1662.2 1077.95,1662.2 1165.35,1574.8 F1.197@1433.07,1574.8
OUT_10: F1.196 Po.10 | length 1431.4
  Top Layer w6: Po.10@76.77,1662.2 76.77,1671.26 118.11,1712.6 1043.12,1712.6 1161.23,1594.49 F1.196@1433.07,1594.49
OUT_11: F1.194 Po.11 | length 1309.5
  Top Layer w6: Po.11@176.77,1762.2 1011.42,1762.2 1139.76,1633.86 F1.194@1433.07,1633.86
OUT_12: F1.193 Po.12 | length 1443.4
  Top Layer w6: Po.12@76.77,1762.2 100.79,1762.2 149.61,1811.02 984.25,1811.02 1143.7,1651.57 1431.1,1651.57 F1.193@1433.07,1653.54
OUT_13: F1.192 Po.13 | length 1334.6
  Top Layer w6: Po.13@176.77,1862.2 954.53,1862.2 1143.51,1673.23 F1.192@1433.07,1673.23
OUT_14: F1.191 Po.14 | length 1467.2
  Top Layer w6: Po.14@76.77,1862.2 96.46,1862.2 145.67,1911.42 925.2,1911.42 1143.7,1692.91 F1.191@1433.07,1692.91
OUT_15: F1.190 Po.15 | length 1359.7
  Top Layer w6: Po.15@176.77,1962.2 894.09,1962.2 1143.7,1712.6 F1.190@1433.07,1712.6
OUT_16: F1.189 Po.16 | length 1492.6
  Top Layer w6: Po.16@76.77,1962.2 86.22,1962.2 135.83,2011.81 864.17,2011.81 1143.7,1732.28 F1.189@1433.07,1732.28
OUT_17: F1.188 Po.17 | length 1384.8
  Top Layer w6: Po.17@176.77,2062.2 837.4,2062.2 1147.64,1751.97 F1.188@1433.07,1751.97
OUT_18: F1.185 Po.18 | length 1500.1
  Top Layer w6: Po.18@76.77,2062.2 87.8,2062.2 135.83,2110.24 811.02,2110.24 1110.24,1811.02 F1.185@1433.07,1811.02
OUT_19: F1.184 Po.19 | length 1393.6
  Top Layer w6: Po.19@176.77,2162.2 782.68,2162.2 1114.17,1830.71 F1.184@1433.07,1830.71
OUT_20: F1.183 Po.20 | length 1525.6
  Top Layer w6: Po.20@76.77,2162.2 87.4,2162.2 135.83,2210.63 757.87,2210.63 1118.11,1850.39 F1.183@1433.07,1850.39
OUT_21: F1.182 Po.21 | length 1418.7
  Top Layer w6: Po.21@176.77,2262.2 731.89,2262.2 1124.02,1870.08 F1.182@1433.07,1870.08
OUT_22: F1.181 Po.22 | length 1551
  Top Layer w6: Po.22@76.77,2262.2 88.98,2262.2 137.8,2311.02 710.63,2311.02 1131.89,1889.76 F1.181@1433.07,1889.76
OUT_23: F1.180 Po.23 | length 1443.8
  Top Layer w6: Po.23@176.77,2362.2 687.01,2362.2 1139.76,1909.45 F1.180@1433.07,1909.45
OUT_24: F1.179 Po.24 | length 1591.3
  Top Layer w6: Po.24@76.77,2362.2 76.77,2368.11 133.86,2425.2 651.57,2425.2 1147.64,1929.13 F1.179@1433.07,1929.13
Sab1: F1.138 R84.1 SAB1.1 | length 2850.9
  Top Layer w6: F1.138@1874.02,2448.82 1874.02,2161.42 1878.83,2156.6 v1@1878.83,2155.51 ; v1(1879.92,2155.51) v1@1878.83,2155.51 ; v1@1878.83,2155.51 1877.95,2155.51 1878.83,2154.63 v1@1878.83,2155.51
  Top Layer w10: SAB1.1@216.54,3110.63 344.88,2982.28 622.05,2982.28 v2(635.83,2968.5)
  Mid-Layer 2 w6: v2(635.83,2968.5) 582.22,2914.9 582.22,2524.08 1135.83,1970.47 1694.88,1970.47 v1(1879.92,2155.51) v1@1877.75,2157.69
Sab2: F1.137 R85.1 S2.1 | length 2792
  Top Layer w6: F1.137@1893.7,2448.82 1893.7,2179.13 1897.64,2175.2 v1(1899.61,2175.2)
  Top Layer w10: S2.1@316.93,3110.63 427.56,3000 655.87,3000 R85.1@687.37,2968.5
  Mid-Layer 2 w6: v2(696.85,2968.5) 665.35,2937.01 665.35,2799.21 598.22,2732.08 598.22,2530.71 1142.45,1986.47 1679.97,1986.47 1870.87,2177.37 1897.43,2177.37 v1(1899.61,2175.2)
Sab3: F1.136 R86.1 S3.1 | length 2658.9
  Top Layer w6: F1.136@1913.39,2448.82 1913.39,2318.9 1921.26,2311.02 v1(1921.26,2194.88)
  Top Layer w10: S3.1@417.32,3110.63 510.24,3017.72 704.72,3017.72 v2(753.94,2968.5)
  Mid-Layer 2 w6: v2(753.94,2968.5) 726.38,2940.94 726.38,2736.22 746.06,2716.54 746.06,2405.49 1149.08,2002.47 1669.8,2002.47 1864.38,2197.06 1919.09,2197.06 v1(1921.26,2194.88)
Sab4: F1.135 R87.1 S4.1 | length 2613.8
  Top Layer w6: F1.135@1933.07,2448.82 1933.07,2328.74 1940.94,2320.87 v1(1940.94,2214.57)
  Top Layer w10: S4.1@517.72,3110.63 592.91,3035.43 746.06,3035.43 v2(812.99,2968.5)
  Mid-Layer 2 w6: v2(812.99,2968.5) 783.46,2938.98 783.46,2684.06 813.2,2654.32 813.2,2602.57 767.97,2557.34 767.97,2406.21 1155.71,2018.47 1663.17,2018.47 1861.44,2216.74 1938.77,2216.74 v1(1940.94,2214.57)
SUNSEN_PC_EN: F1.116 U08.5 | length 505.7
  Top Layer w5: F1.116@2307.09,2448.82 2307.09,2482.65 2295.28,2494.46 2295.28,2768.7 U08.5@2423.23,2896.65
SUNSEN_PC_SCL: F1.118 R89.2 U08.2 | length 724.3
  Top Layer w5: R89.2@2112.2,2942.91 2112.2,2787.4 2267.72,2631.89 F1.118@2267.72,2448.82 ; U08.2@2231.3,2947.83 U08.2@2253.94,2947.83
  Top Layer w10: R89.2@2112.2,2942.91 2143.7,2974.41 2204.72,2974.41 U08.2@2231.3,2947.83
SUNSEN_PC_SDA: F1.117 R88.2 U08.3 | length 671.8
  Top Layer w5: R88.2@2192.91,2931.1 2188.98,2931.1 2177.17,2942.91 R88.2@2175.2,2942.91 2122.2,2889.92 2122.2,2791.54 2285.28,2628.47 2285.28,2450.94 F1.117@2287.4,2448.82
  Top Layer w10: R88.2@2192.91,2931.1 2201.77,2922.24 U08.3@2253.94,2922.24
SUNSEN_SCL: R90.2 SUNSEN.2 U08.7 | length 295.8
  Top Layer w5: SUNSEN.2@2365.75,3102.76 SUNSEN.2@2370.08,3098.43 ; U08.7@2440.94,2947.83 U08.7@2445.87,2947.83 ; R90.2@2513.78,3015.75 R90.2@2513.78,3023.62
  Top Layer w10: SUNSEN.2@2365.75,3102.76 2434.65,3102.76 R90.2@2513.78,3023.62 ; U08.7@2445.87,2947.83 R90.2@2513.78,3015.75
SUNSEN_SDA: R91.2 SUNSEN.4 U08.6 | length 469.2
  Top Layer w5: U08.6@2423.23,2922.24 U08.6@2424.21,2923.23
  Top Layer w10: U08.6@2424.21,2923.23 v1(2476.38,2923.23)
  Bottom Layer w5: SUNSEN.4@2265.75,3102.76 SUNSEN.4@2276.77,3102.76 ; v1(2476.38,2923.23) 2478.35,2925.2 v1@2478.35,2929.13
  Bottom Layer w10: SUNSEN.4@2265.75,3102.76 2311.42,3057.09 2480.31,3057.09 R91.2@2513.78,3023.62 2511.81,3023.62 2476.38,2988.19 v1(2476.38,2923.23)